# Altium PCB Enigma Rev B.PcbDoc (part 2 of 8) (continued)
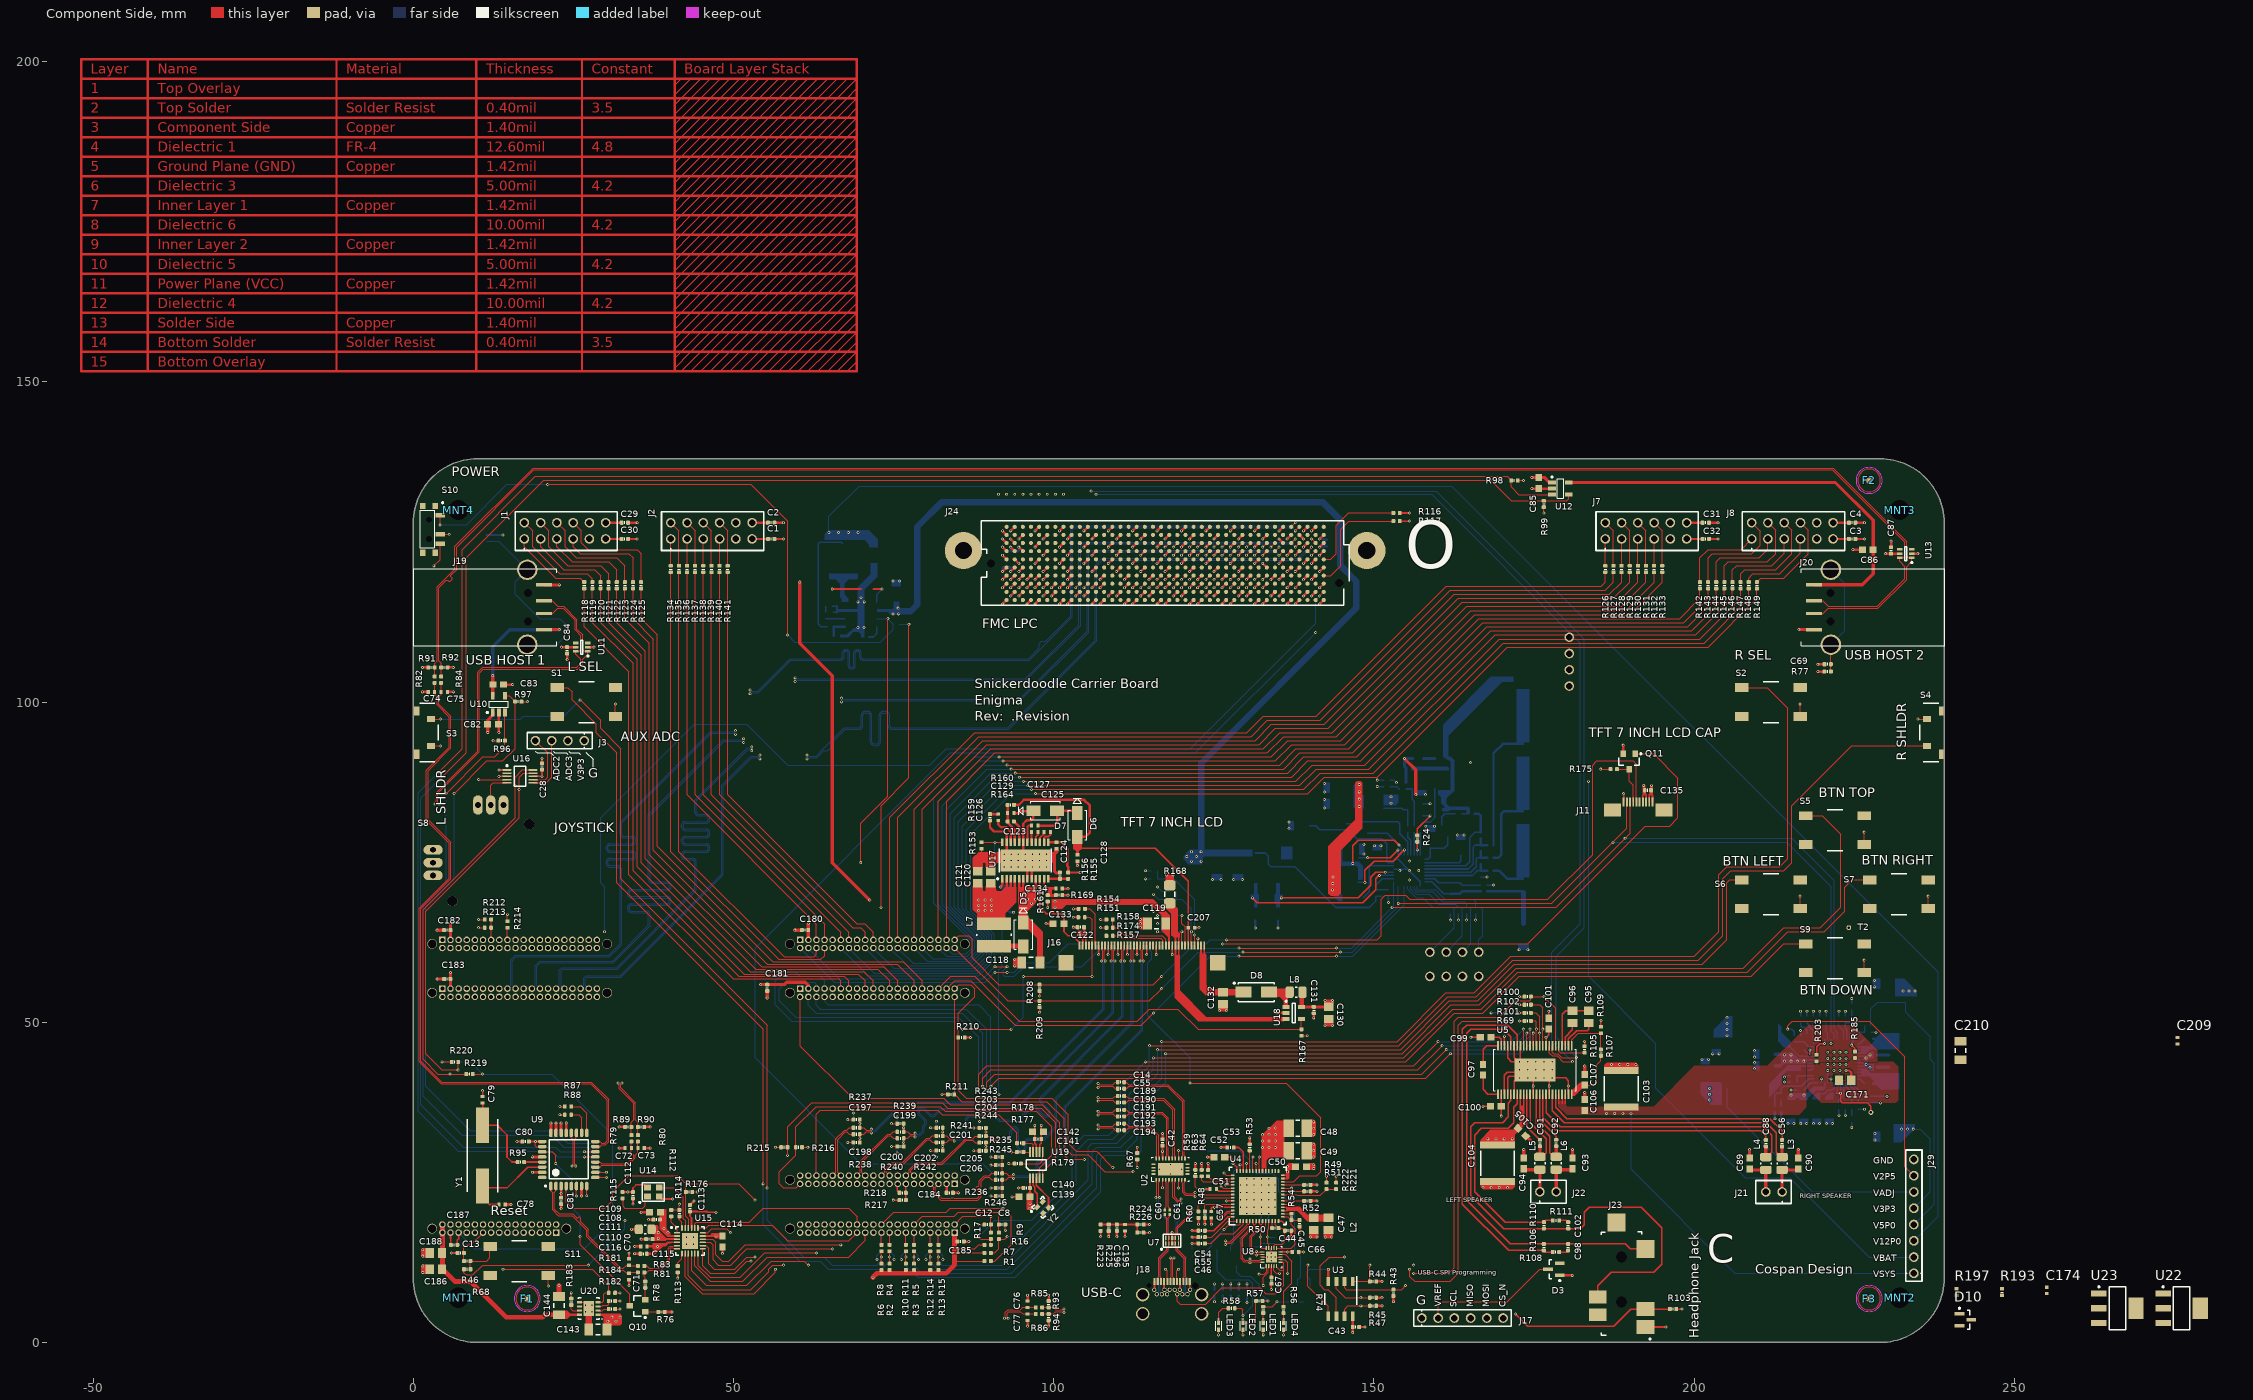
[diagram p0: Component Side view]
## Part data (continued)
C35: "1.5µF ±10% 25V Ceramic Capacitor X7R 0805 (2012 Metric)", Capacitance=1.5µF, Manufacturer="Murata Electronics North America", Manufacturer Part Number=GRM21BR71E155KA88L, Operating Temperature="-55°C ~ 125°C", Package / Case=0805, Ratings=-, Supplier Part Number 1=490-3330-1-ND, Temperature Coefficient=25V, Tolerance=±10%, Voltage - Rated=X7R, Applications="General Purpose", Category=Capacitors, ComponentLink1Description=http://www.murata.com/~/media/webrenewal/support/library/catalog/products/capacitor/mlcc/c02e.pdf, ComponentLink1URL=http://www.murata.com/~/media/webrenewal/support/library/catalog/products/capacitor/mlcc/c02e.pdf, Features=-, Height - Seated (Max)=-, Lead Spacing=-, Lead Style=-, Mounting Type="Surface Mount, MLCC", Packaging="Cut Tape (CT)", Part Status=Active, Pricing 1="1=0.29, 10=0.24, 50=0.135, 100=0.12, 250=0.09, 500=0.0795, 1000=0.0705 (USD)", RoHS="RoHS Compliant", Size / Dimension="0.079\" L x 0.049\" W (2.00mm x 1.25mm)", Stock 1=7266, Supplier 1=Digi-Key, Thickness (Max)="0.053\" (1.35mm)"
C38 C70 C71 C72 C73 C74 C75 C76 C77 C78 C79: library part C_0402_22PF_50V, "CAP CER 22PF 50V NP0 0402", Manufacturer="Murata Electronics North America", Manufacturer Part Number=GRM1555C1H220FA01D, Operating Temperature="-55°C ~ 125°C", Package / Case=0402, Ratings=-, Supplier Part Number 1=490-8589-1-ND, Temperature Coefficient=NP0, Tolerance=±1%, Voltage - Rated=50V, Applications="General Purpose", Capacitance=22pF, Category=Capacitors, ComponentLink1Description=http://search.murata.co.jp/Ceramy/image/img/A01X/G101/ENG/GRM1555C1H220FA01-01.pdf, ComponentLink1URL=http://search.murata.co.jp/Ceramy/image/img/A01X/G101/ENG/GRM1555C1H220FA01-01.pdf, Features=-, Height - Seated (Max)=-, Lead Spacing=-, Lead Style=-, Mounting Type="Surface Mount, MLCC", Packaging="Cut Tape (CT)", Part Status=Active, Pricing 1="1=0.1, 10=0.05, 100=0.0223, 500=0.01594, 1000=0.01252, 2500=0.01138, 5000=0.01047 (USD)", RoHS="RoHS Compliant", Size / Dimension="0.039\" L x 0.020\" W (1.00mm x 0.50mm)", Stock 1=606100, Supplier 1=Digi-Key, Thickness (Max)="0.022\" (0.55mm)"
C44 C45 C98 C102: library part C_0402_220PF_50V, "CAP CER 220PF 50V 10% X7R 0402", Manufacturer="Murata Electronics North America", Manufacturer Part Number=GRM155R71H221KA01D, Operating Temperature="-55°C ~ 125°C", Package / Case=0402, Ratings=-, Supplier Part Number 1=490-1298-1-ND, Temperature Coefficient=X7R, Tolerance=±10%, Voltage - Rated=50V, Applications="General Purpose", Capacitance=220pF, Category=Capacitors, ComponentLink1Description=http://search.murata.co.jp/Ceramy/image/img/PDF/ENG/GRM155R71H221KA01.pdf, ComponentLink1URL=http://search.murata.co.jp/Ceramy/image/img/PDF/ENG/GRM155R71H221KA01.pdf, Features=-, Height=-, Lead Spacing=-, Lead Style=-, Mounting Type="Surface Mount, MLCC", Packaging="Cut Tape (CT)", Pricing="10=0.034, 50=0.0272, 100=0.0204, 250=0.01476, 500=0.0109, 1000=0.00738 (USD)", RoHS="RoHS Compliant", Size / Dimension="0.039\" L x 0.020\" W (1.00mm x 0.50mm)", Stock 1=239876, Supplier 1=Digi-Key, Thickness="0.022\" (0.55mm)"
C46 C56 C88 C91 C92 C123 C124 C125 C127 C129 C207: "CAP CER 0.22UF 50V X5R 0402", Capacitance=0.22µF, Manufacturer="Taiyo Yuden", Manufacturer Part Number=UMK105BJ224KV-F, Operating Temperature="-55°C ~ 85°C", Package / Case=0402, Ratings=-, Supplier Part Number 1=587-3500-6-ND, Temperature Coefficient=X5R, Tolerance=±10%, Voltage - Rated=50V, Applications="General Purpose", Category=Capacitors, ComponentLink1Description=http://ds.yuden.co.jp/TYCOMPAS/ut/detail.do?productNo=UMK105BJ224KV-F&fileName=UMK105BJ224KV-F_SS&mode=specSheetDownload, ComponentLink1URL=http://ds.yuden.co.jp/TYCOMPAS/ut/detail.do?productNo=UMK105BJ224KV-F&fileName=UMK105BJ224KV-F_SS&mode=specSheetDownload, Features=-, Height - Seated (Max)=-, Lead Spacing=-, Lead Style=-, Mounting Type="Surface Mount, MLCC", Packaging=Digi-Reel®, Pricing 1="1=0.35, 10=0.263, 50=0.1532, 100=0.1225, 250=0.08752, 500=0.0595, 1000=0.04813, 5000=0.03763 (USD)", RoHS="RoHS Compliant", Size / Dimension="0.039\" L x 0.020\" W (1.00mm x 0.50mm)", Stock 1=141424, Supplier 1=Digi-Key, Thickness (Max)="0.022\" (0.55mm)"
C48 C49: library part C_1210_22µF, "CAP CER 22UF 25V 20% X5R 1210", Manufacturer="Taiyo Yuden", Manufacturer Part Number=TMK325BJ226MM-T, Operating Temperature="-55°C ~ 85°C", Package / Case=1210, Ratings=-, Supplier Part Number 1=587-2086-1-ND, Temperature Coefficient=X5R, Tolerance=±20%, Voltage - Rated=25V, Applications="General Purpose", Capacitance=22µF, Category=Capacitors, ComponentLink1Description=http://www.yuden.co.jp/productdata/catalog/en/mlcc01_e.pdf, ComponentLink1URL=http://www.yuden.co.jp/productdata/catalog/en/mlcc01_e.pdf, Features=-, Height - Seated (Max)=-, Lead Spacing=-, Lead Style=-, Mounting Type="Surface Mount, MLCC", Packaging="Cut Tape (CT)", Pricing="1=0.86, 10=0.731, 50=0.5382, 100=0.4278, 250=0.3588 (USD)", RoHS="RoHS Compliant", Size / Dimension="0.126\" L x 0.098\" W (3.20mm x 2.50mm)", Stock 1=53533, Supplier 1=Digi-Key, Thickness (Max)="0.106\" (2.70mm)"
C50 C109 C114 C139 C142: library part C_0603_4.7uF_10V, "CAP CER 4.7UF 10V X5R 0603", Manufacturer="Murata Electronics North America", Manufacturer Part Number=GRM188R61A475KE15D, Operating Temperature="-55°C ~ 85°C", Package / Case=0603, Ratings=-, Supplier Part Number 1=490-10477-1-ND, Temperature Coefficient=X5R, Tolerance=±10%, Voltage - Rated=10V, Applications="General Purpose", Capacitance=4.7µF, Category=Capacitors, ComponentLink1Description=http://search.murata.co.jp/Ceramy/image/img/A01X/G101/ENG/GRM188R61A475KE15-01.pdf, ComponentLink1URL=http://search.murata.co.jp/Ceramy/image/img/A01X/G101/ENG/GRM188R61A475KE15-01.pdf, Features="Derating Recommended", Height - Seated (Max)=-, Lead Spacing=-, Lead Style=-, Mounting Type="Surface Mount, MLCC", Packaging="Cut Tape (CT)", Part Status=Active, Pricing 1="1=0.15, 10=0.105, 100=0.0495, 500=0.03472, 1000=0.02875 (USD)", RoHS="RoHS Compliant", Size / Dimension="0.063\" L x 0.032\" W (1.60mm x 0.80mm)", Stock 1=163304, Supplier 1=Digi-Key, Thickness (Max)="0.039\" (1.00mm)"
C51 C57 C66 C128 C136 C137 C138 C174 C195 C209: library part C_0402_1.0UF_16V, "CAP CER 1.0UF 16V X5R 0402", Capacitance=1.0µF, Manufacturer="Taiyo Yuden", Manufacturer Part Number=EMK105BJ105KV-F, Operating Temperature="-55°C ~ 85°C", Package / Case=0402, Ratings=-, Supplier Part Number 1=587-2477-1-ND, Temperature Coefficient=X5R, Tolerance=±10%, Voltage - Rated=16V, Applications="General Purpose", Category=Capacitors, ComponentLink1Description=http://ds.yuden.co.jp/TYCOMPAS/ut/detail.do?productNo=EMK105BJ105KV-F&fileName=EMK105BJ105KV-F_SS&mode=specSheetDownload, ComponentLink1URL=http://ds.yuden.co.jp/TYCOMPAS/ut/detail.do?productNo=EMK105BJ105KV-F&fileName=EMK105BJ105KV-F_SS&mode=specSheetDownload, Features=-, Height - Seated (Max)=-, Lead Spacing=-, Lead Style=-, Mounting Type="Surface Mount, MLCC", Packaging="Cut Tape (CT)", Part Status=Active, Pricing 1="1=0.1, 10=0.063, 100=0.028, 500=0.01998, 1000=0.0157, 2500=0.01427, 5000=0.01313 (USD)", RoHS="RoHS Compliant", Size / Dimension="0.039\" L x 0.020\" W (1.00mm x 0.50mm)", Stock 1=489909, Supplier 1=Digi-Key, Thickness (Max)="0.022\" (0.55mm)"
C52: "CAP CER 10UF 16V X5R 0603", Capacitance=10µF, Manufacturer="Murata Electronics North America", Manufacturer Part Number=GRM188R61C106MA73D, Operating Temperature="-55°C ~ 85°C", Package / Case=0603, Ratings=-, Supplier Part Number 1=490-7201-1-ND, Temperature Coefficient=X5R, Tolerance=±20%, Voltage - Rated=25V, Applications="General Purpose", Category=Capacitors, ComponentLink1Description=http://www.murata.com/~/media/webrenewal/support/library/catalog/products/capacitor/mlcc/c02e.pdf, ComponentLink1URL=http://www.murata.com/~/media/webrenewal/support/library/catalog/products/capacitor/mlcc/c02e.pdf, Features=-, Height - Seated (Max)=-, Lead Spacing=-, Lead Style=-, Mounting Type="Surface Mount, MLCC", Packaging="Cut Tape (CT)", Pricing 1="1=0.35, 10=0.303, 50=0.184, 100=0.1516, 250=0.12124, 500=0.11042, 1000=0.09959 (USD)", RoHS="RoHS Compliant", Size / Dimension="0.063\" L x 0.031\" W (1.60mm x 0.80mm)", Stock 1=450536, Supplier 1=Digi-Key, Thickness (Max)="0.031\" (0.80mm)"
C53 C54: library part C_0402_2.2UF, "CAP CER 2.2UF 6.3V X5R 0402", Capacitance=2.2µF, Manufacturer="TDK Corporation", Manufacturer Part Number=C1005X5R0J225M, Operating Temperature="-55°C ~ 85°C", Package / Case=0402, Ratings=-, Supplier Part Number 1=445-4999-1-ND, Temperature Coefficient=X5R, Tolerance=±20%, Voltage - Rated=6.3V, Applications="General Purpose", Category=Capacitors, ComponentLink1Description=http://www.tdk.co.jp/tefe02/e412_c.pdf, ComponentLink1URL=http://www.tdk.co.jp/tefe02/e412_c.pdf, Features=-, Height=-, Lead Spacing=-, Lead Style=-, Mounting Type="Surface Mount, MLCC", Packaging="Cut Tape (CT)", Pricing="1=0.44, 10=0.33, 100=0.154, 250=0.11, 500=0.0748, 1000=0.0605 (USD)", RoHS="RoHS Compliant", Size / Dimension="0.039\" L x 0.020\" W (1.00mm x 0.50mm)", Stock 1=511888, Supplier 1=Digi-Key, Thickness="0.022\" (0.55mm)"
C58 C59 C60 C61: library part C_0201_0.1UF, "CAP CER 0.1UF 6.3V 10% X5R 0201", Capacitance=0.1µF, Manufacturer="Murata Electronics North America", Manufacturer Part Number=GRM033R60J104KE19D, Operating Temperature="-55°C ~ 85°C", Package / Case=0201, Ratings=-, Supplier Part Number 1=490-3167-1-ND, Temperature Coefficient=X5R, Tolerance=±10%, Voltage - Rated=6.3V, Applications="General Purpose", Category=Capacitors, ComponentLink1Description=http://search.murata.co.jp/Ceramy/image/img/A01X/G101/ENG/GRM033R60J104KE19-01.pdf, ComponentLink1URL=http://search.murata.co.jp/Ceramy/image/img/A01X/G101/ENG/GRM033R60J104KE19-01.pdf, Features=-, Height - Seated (Max)=-, Lead Spacing=-, Lead Style=-, Mounting Type="Surface Mount, MLCC", Packaging="Cut Tape (CT)", Part Status=Active, Pricing 1="1=0.1, 10=0.033, 100=0.0149, 500=0.01062, 1000=0.00835, 2500=0.00759, 5000=0.00698 (USD)", RoHS="RoHS Compliant", Size / Dimension="0.024\" L x 0.012\" W (0.60mm x 0.30mm)", Stock 1=13375857, Supplier 1=Digi-Key, Thickness (Max)="0.013\" (0.33mm)"
C62 C63 C64 C65 C68 C69: library part C_0402_10000PF_50V, "CAP CERAMIC .01UF 50V X7R 0402", Capacitance=.01µF, Manufacturer="Murata Electronics North America", Manufacturer Part Number=GRM155R71H103KA88D, Operating Temperature="-55°C ~ 125°C", Package / Case=0402, Ratings=-, Supplier Part Number 1=490-4516-1-ND, Temperature Coefficient=X7R, Tolerance=±10%, Voltage - Rated=50V, Applications="General Purpose", Category=Capacitors, ComponentLink1Description=http://www.murata.com/~/media/webrenewal/support/library/catalog/products/capacitor/mlcc/c02e.ashx, ComponentLink1URL=http://www.murata.com/~/media/webrenewal/support/library/catalog/products/capacitor/mlcc/c02e.ashx, Features=-, Height - Seated (Max)=-, Lead Spacing=-, Lead Style=-, Mounting Type="Surface Mount, MLCC", Packaging="Cut Tape (CT)", Part Status=Active, Pricing 1="1=0.1, 50=0.0052, 100=0.0044, 250=0.00364, 500=0.00312, 1000=0.00242, 5000=0.00202 (USD)", RoHS="RoHS Compliant", Size / Dimension="0.039\" L x 0.020\" W (1.00mm x 0.50mm)", Stock 1=7255009, Supplier 1=Digi-Key, Thickness (Max)="0.022\" (0.55mm)"
C80: library part C_0402_1000PF_50V, "CAP CER 1000PF 50V C0G 0402", Manufacturer="Murata Electronics North America", Manufacturer Part Number=GRM1555C1H102JA01D, Operating Temperature="-55°C ~ 125°C", Package / Case=0402, Ratings=-, Supplier Part Number 1=490-3244-1-ND, Temperature Coefficient=C0G, Tolerance=±5%, Voltage - Rated=50V, Applications="General Purpose", Capacitance=1000pF, Category=Capacitors, ComponentLink1Description=http://search.murata.co.jp/Ceramy/image/img/PDF/ENG/GRM1555C1H102JA01.pdf, ComponentLink1URL=http://search.murata.co.jp/Ceramy/image/img/PDF/ENG/GRM1555C1H102JA01.pdf, Features=-, Lead Spacing=-, Lead Style=-, Mounting Type="Surface Mount, MLCC", Packaging="Cut Tape (CT)", Pricing 1="10=0.073, 100=0.0429, 500=0.02476, 1000=0.01716 (USD)", RoHS="RoHS Compliant", Size / Dimension="0.040\" L x 0.020\" W (1.00mm x 0.50mm)", Stock 1=1327660, Supplier 1=Digi-Key, Thickness=0.50mm
C82 C83 C85 C86 C97 C99 C100 C101 C107: library part C_0603_1.0uF_16V, "CAP CER 1UF 16V 10% X7R 0603", Capacitance=1.0µF, Manufacturer=Yageo, Manufacturer Part Number=CC0603KRX7R7BB105, Operating Temperature="-55°C ~ 125°C", Package / Case=0603, Ratings=-, Supplier Part Number 1=311-1446-1-ND, Temperature Coefficient=X7R, Tolerance=±10%, Voltage - Rated=16V, Applications="General Purpose", Category=Capacitors, ComponentLink1Description=http://www.yageo.com/documents/recent/UPY-GPHC_X7R_6.3V-to-50V_18.pdf, ComponentLink1URL=http://www.yageo.com/documents/recent/UPY-GPHC_X7R_6.3V-to-50V_18.pdf, Failure Rate=-, Features=-, Height - Seated (Max)=-, Lead Spacing=-, Lead Style=-, Mounting Type="Surface Mount, MLCC", Packaging="Cut Tape (CT)", Part Status=Active, Pricing 1="1=0.1, 10=0.053, 100=0.0237, 500=0.01694, 1000=0.01331 (USD)", RoHS="RoHS Compliant", Size / Dimension="0.063\" L x 0.032\" W (1.60mm x 0.80mm)", Stock 1=221087, Supplier 1=Digi-Key, Thickness (Max)="0.035\" (0.90mm)"
C89 C90 C93 C94: "CAP CER 0.68UF 25V X5R 0603", Capacitance=0.68uF, Manufacturer="Wurth Electronics Inc.", Manufacturer Part Number=885012106021, Operating Temperature="-55°C ~ 85°C", Package / Case=0603, Ratings=-, Supplier Part Number 1=732-7918-1-ND, Temperature Coefficient=X5R, Tolerance=±20%, Voltage - Rated=25V, Applications="General Purpose", Category=Capacitors, ComponentLink1Description=http://katalog.we-online.de/pbs/datasheet/885012106021.pdf, ComponentLink1URL=http://katalog.we-online.de/pbs/datasheet/885012106021.pdf, Features=-, Height - Seated (Max)=-, Lead Spacing=-, Lead Style=-, Mounting Type="Surface Mount, MLCC", Packaging="Cut Tape (CT)", Part Status=Active, Pricing 1="1=0.16, 50=0.131, 100=0.103, 250=0.091, 500=0.083, 1000=0.077 (USD)", RoHS="RoHS Compliant", Size / Dimension="0.063\" L x 0.031\" W (1.60mm x 0.80mm)", Stock 1=3388, Supplier 1=Digi-Key, Thickness (Max)="0.037\" (0.95mm)"
C103 C104: library part C_2220_10UF_50V, "CAP CER 10UF 50V X7R 20% 2220", Manufacturer="TDK Corporation", Manufacturer Part Number=C5750X7R1H106K230KB, Operating Temperature="-55°C ~ 125°C", Package / Case=2220, Ratings=-, Supplier Part Number 1=445-3492-1-ND, Temperature Coefficient=X7R, Tolerance=±10%, Voltage - Rated=50V, Applications="General Purpose", Capacitance=10µF, Category=Capacitors, ComponentLink1Description=https://product.tdk.com/info/en/catalog/datasheets/mlcc_commercial_general_en.pdf, ComponentLink1URL=https://product.tdk.com/info/en/catalog/datasheets/mlcc_commercial_general_en.pdf, Failure Rate=-, Features=-, Height - Seated (Max)=-, Lead Spacing=-, Lead Style=-, Mounting Type="Surface Mount, MLCC", Packaging="Cut Tape (CT)", Part Status=Active, Pricing 1="1=1.96, 10=1.583, 100=1.2087 (USD)", RoHS="RoHS Compliant", Size / Dimension="0.224\" L x 0.197\" W (5.70mm x 5.00mm)", Stock 1=35258, Supplier 1=Digi-Key, Thickness (Max)="0.098\" (2.50mm)"
C111: library part C_0805_10UF_10V, "CAP CER 10UF 10V 10% X5R 0805", Capacitance=10µF, Manufacturer="Murata Electronics North America", Manufacturer Part Number=GRM21BR61A106KE19L, Operating Temperature="-55°C ~ 85°C", Package / Case="0805 (2012 Metric)", Ratings=-, Supplier Part Number 1=490-1709-1-ND, TEMPERATURE=-55/85C, Temperature Coefficient=X5R, Tolerance=X5R-10%, Voltage - Rated=10V, Applications="General Purpose", Category=Capacitors, ComponentLink1Description=http://www.murata.com/products/catalog/pdf/c02e.pdf, ComponentLink1URL=http://www.murata.com/products/catalog/pdf/c02e.pdf, Features=-, Height - Seated (Max)=-, Lead Spacing=-, Lead Style=-, Mounting Type="Surface Mount, MLCC", Packaging="Cut Tape (CT)", Pricing="1=0.21, 10=0.144, 50=0.0876, 100=0.0735, 250=0.05952, 500=0.0525, 1000=0.04463 (USD)", RoHS="RoHS Compliant", Size / Dimension="0.079\" L x 0.049\" W (2.00mm x 1.25mm)", Stock 1=541107, Supplier 1=Digi-Key, Thickness (Max)="0.053\" (1.35mm)", VOLTS=10V
C117: library part C_0402_6.8PF_50V, "CAP CER 6.8PF 50V NP0 0402", Manufacturer=Yageo, Manufacturer Part Number=CC0402DRNPO9BN6R8, Operating Temperature="-55°C ~ 125°C", Package / Case=0402, Ratings=-, Supplier Part Number 1=311-1637-1-ND, Temperature Coefficient="C0G, NP0", Tolerance=±0.5pF, Voltage - Rated=50V, Applications="General Purpose", Capacitance=6.8pF, Category=Capacitors, ComponentLink1Description=http://www.yageo.com/documents/recent/UPY-GP_NP0_16V-to-50V_16.pdf, ComponentLink1URL=http://www.yageo.com/documents/recent/UPY-GP_NP0_16V-to-50V_16.pdf, Failure Rate=-, Features=-, Height - Seated (Max)=-, Lead Spacing=-, Lead Style=-, Mounting Type="Surface Mount, MLCC", Packaging="Cut Tape (CT)", Part Status=Active, Pricing 1="1=0.1, 10=0.022, 100=0.0097, 500=0.00692, 1000=0.00544, 2500=0.00494, 5000=0.00455 (USD)", RoHS="RoHS Compliant", Size / Dimension="0.039\" L x 0.020\" W (1.00mm x 0.50mm)", Stock 1=80953, Supplier 1=Digi-Key, Thickness (Max)="0.022\" (0.55mm)"
C120 C121 C147 C153 C159 C165: library part C_0805_10UF_16V, "CAP CER 10uF 16V X5R 20% 0805", Manufacturer="Taiyo Yuden", Manufacturer Part Number=EMK212BJ106KG-T, Operating Temperature="-55°C ~ 85°C", Package / Case=0805, Ratings=-, Supplier Part Number 1=587-1295-1-ND, Temperature Coefficient=X5R, Tolerance=±10%, Voltage - Rated=16V, Applications="General Purpose", Capacitance=10µF, Category=Capacitors, ComponentLink1Description=http://www.yuden.co.jp/productdata/catalog/en/mlcc01_e.pdf, ComponentLink1URL=http://www.yuden.co.jp/productdata/catalog/en/mlcc01_e.pdf, Features=-, Height - Seated (Max)=-, Lead Spacing=-, Lead Style=-, Mounting Type="Surface Mount, MLCC", Packaging="Cut Tape (CT)", Part Status=Active, Pricing 1="1=0.2, 10=0.139, 100=0.0656, 500=0.04596, 1000=0.03805 (USD)", RoHS="RoHS Compliant", Size / Dimension="0.079\" L x 0.049\" W (2.00mm x 1.25mm)", Stock 1=2052124, Supplier 1=Digi-Key, Thickness (Max)="0.053\" (1.35mm)"
C126 C134: library part C_0402_1000PF_50V, "CAP CER 1000PF 50V C0G 0402", Manufacturer="Murata Electronics North America", Manufacturer Part Number=GRM1555C1H102JA01D, Operating Temperature="-55°C ~ 125°C", Package / Case=0402, Ratings=-, Supplier Part Number 1=490-3244-1-ND, Temperature Coefficient="C0G, NP0", Tolerance=±5%, Voltage - Rated=50V, Applications="General Purpose", Capacitance=1000pF, Category=Capacitors, ComponentLink1Description=http://search.murata.co.jp/Ceramy/image/img/PDF/ENG/GRM1555C1H102JA01.pdf, ComponentLink1URL=http://search.murata.co.jp/Ceramy/image/img/PDF/ENG/GRM1555C1H102JA01.pdf, Features=-, Lead Spacing=-, Lead Style=-, Mounting Type="Surface Mount, MLCC", Packaging="Cut Tape (CT)", Pricing 1="10=0.073, 100=0.0429, 500=0.02476, 1000=0.01716 (USD)", RoHS="RoHS Compliant", Size / Dimension="0.040\" L x 0.020\" W (1.00mm x 0.50mm)", Stock 1=1327660, Supplier 1=Digi-Key, Thickness=0.50mm
C130: library part C_0805_10UF_6.3V, "CAP CER 10UF 6.3V X7R 10% 0805", Capacitance=10µF, Manufacturer="Taiyo Yuden", Manufacturer Part Number=JMK212BJ106KD-T, Operating Temperature="-55°C ~ 85°C", Package / Case=0805, Ratings=-, Supplier Part Number 1=587-1304-1-ND, Temperature Coefficient=X7R, Tolerance=±10%, Voltage - Rated=6.3V, Applications="General Purpose", Category=Capacitors, ComponentLink1Description=http://www.yuden.co.jp/productdata/catalog/en/mlcc01_e.pdf, ComponentLink1URL=http://www.yuden.co.jp/productdata/catalog/en/mlcc01_e.pdf, Features=-, Height - Seated (Max)=-, Lead Spacing=-, Lead Style=-, Mounting Type="Surface Mount, MLCC", Packaging="Cut Tape (CT)", Pricing 1="1=0.19, 10=0.132, 50=0.08, 100=0.0672, 250=0.0544, 500=0.048, 1000=0.0408 (USD)", RoHS="RoHS Compliant", Size / Dimension="0.079\" L x 0.049\" W (2.00mm x 1.25mm)", Stock 1=94004, Supplier 1=Digi-Key, Thickness (Max)="0.037\" (0.95mm)"
C133: "CAP CER 1UF 16V X7R 0603", Capacitance=1µF, Case/Package=0603, Case Code (Metric)=1608, Dielectric=X7R, Manufacturer=Yageo, Manufacturer Part Number=CC0603KRX7R7BB105, Max Operating Temperature=125°C, Min Operating Temperature=-55°C, Package Quantity=1, Supplier Part Number 1=311-1446-6-ND, Tolerance=10%, Voltage - Rated=16V, Case Code (Imperial)=0603, ComponentLink1Description=https://datasheet.ciiva.com/176/mlccorderingcode-176788.pdf, ComponentLink1URL=https://datasheet.ciiva.com/176/mlccorderingcode-176788.pdf, ComponentLink2Description=https://datasheet.ciiva.com/176/mlccorderingcode-176789.pdf, ComponentLink2URL=https://datasheet.ciiva.com/176/mlccorderingcode-176789.pdf, ComponentLink3Description=https://datasheet.ciiva.com/176/mlccorderingcode-176790.pdf, ComponentLink3URL=https://datasheet.ciiva.com/176/mlccorderingcode-176790.pdf, ComponentLink4Description=https://datasheet.ciiva.com/5425/upy-gphc-x7r-6-3v-to-50v-8-12304-5425495.pdf, ComponentLink4URL=https://datasheet.ciiva.com/5425/upy-gphc-x7r-6-3v-to-50v-8-12304-5425495.pdf, ComponentLink5Description=https://datasheet.ciiva.com/16625/upy-gphc-x7r-6-3v-to-50v-8-16625527.pdf, ComponentLink5URL=https://datasheet.ciiva.com/16625/upy-gphc-x7r-6-3v-to-50v-8-16625527.pdf, ComponentLink6Description=https://datasheet.ciiva.com/8033/1734573-8033800.pdf, ComponentLink6URL=https://datasheet.ciiva.com/8033/1734573-8033800.pdf, ComponentLink7Description=https://datasheet.ciiva.com/8033/1734573-8033801.pdf, ComponentLink7URL=https://datasheet.ciiva.com/8033/1734573-8033801.pdf, ComponentLink8Description=https://datasheet.ciiva.com/28450/1489800-28450557.pdf, ComponentLink8URL=https://datasheet.ciiva.com/28450/1489800-28450557.pdf, ComponentLink9Description=https://datasheet.ciiva.com/7978/1489800-7978143.pdf, ComponentLink9URL=https://datasheet.ciiva.com/7978/1489800-7978143.pdf, Composition=Ceramic, Depth=0.8mm, Dissipation Factor=5%, Halogen Free="Halogen Free", Height=0.8mm, Lead Free="Lead Free", Length=1.6mm, Mount="Surface Mount", Number of Pins=2, Package / Case=0603, Packaging="Tape and Reel", Pricing 1="1=0.1, 10=0.053, 100=0.0237, 500=0.0169, 1000=0.0133 (USD)", Radiation Hardening=No, REACH SVHC=Unknown, Stock 1=531531, Supplier 1=Digikey, Temperature Coefficient=X7R, Termination=SMD/SMT, Thickness=0.035inch, Voltage Rating=16V, Voltage Rating (DC)=16V, Width=0.031inch
C146 C152 C158 C164 C169 C170 C186 C188: "CAP CER 22UF 35V X5R 0805", Capacitance=22µF, Manufacturer="TDK Corporation", Manufacturer Part Number=C2012X5R1V226M125AC, Operating Temperature="-55°C ~ 85°C", Package / Case=0805, Ratings=-, Supplier Part Number 1=445-14428-1-ND, Temperature Coefficient=X5R, Tolerance=±20%, Voltage - Rated=35V, Applications="General Purpose", Category=Capacitors, ComponentLink1Description=https://product.tdk.com/info/en/catalog/datasheets/mlcc_commercial_general_en.pdf, ComponentLink1URL=https://product.tdk.com/info/en/catalog/datasheets/mlcc_commercial_general_en.pdf, Failure Rate=-, Features="Low ESL", Height - Seated (Max)=-, Lead Spacing=-, Lead Style=-, Mounting Type="Surface Mount, MLCC", Packaging="Cut Tape (CT)", Part Status=Active, Pricing 1="1=1.14, 10=0.863, 100=0.6176, 500=0.47818, 1000=0.41176 (USD)", RoHS="RoHS Compliant", Size / Dimension="0.079\" L x 0.049\" W (2.00mm x 1.25mm)", Stock 1=3681, Supplier 1=Digi-Key, Thickness (Max)="0.057\" (1.45mm)"
C148 C154 C160 C166: Capacitance=3300pF, Manufacturer="Murata Electronics North America", Manufacturer Part Number=GRM155R71H332KA01D, Operating Temperature="-55°C ~ 125°C", Package / Case=0402, Ratings=-, Supplier Part Number 1=490-3248-1-ND, Temperature Coefficient=X7R, Tolerance=±10%, Voltage - Rated=50V, Applications="General Purpose", Category=Capacitors, ComponentLink1Description=http://www.murata.com/~/media/webrenewal/support/library/catalog/products/capacitor/mlcc/c02e.ashx?la=en-us, ComponentLink1URL=http://www.murata.com/~/media/webrenewal/support/library/catalog/products/capacitor/mlcc/c02e.ashx?la=en-us, Features=-, Height - Seated (Max)=-, Lead Spacing=-, Lead Style=-, Mounting Type="Surface Mount, MLCC", Packaging="Cut Tape (CT)", Part Status=Active, Pricing 1="1=0.1, 10=0.013, 100=0.0059, 500=0.0042, 1000=0.0033, 2500=0.003, 5000=0.00276 (USD)", RoHS="RoHS Compliant", Size / Dimension="0.039\" L x 0.020\" W (1.00mm x 0.50mm)", Stock 1=717319, Supplier 1=Digi-Key, Thickness (Max)="0.022\" (0.55mm)"
C149 C155: "CAP CER 36PF 50V NP0 0402", Capacitance=36pF, Manufacturer="Samsung Electro-Mechanics America, Inc.", Manufacturer Part Number=CL05C360JB5NNNC, Operating Temperature="-55°C ~ 125°C", Package / Case=0402, Ratings=-, Supplier Part Number 1=1276-1686-1-ND, Temperature Coefficient=C0G, Tolerance=±5%, Voltage - Rated=50V, Applications="General Purpose", Category=Capacitors, ComponentLink1Description=http://www.samsungsem.com/kr/support/product-search/mlcc/CL05C360JB5NNNC.jsp, ComponentLink1URL=http://www.samsungsem.com/kr/support/product-search/mlcc/CL05C360JB5NNNC.jsp, Features=-, Height - Seated (Max)=-, Lead Spacing=-, Lead Style=-, Mounting Type="Surface Mount, MLCC", Packaging="Cut Tape (CT)", Pricing 1="1=0.1, 10=0.03, 25=0.0208, 50=0.016, 100=0.0135, 500=0.00948, 1000=0.00738, 5000=0.00615 (USD)", RoHS="RoHS Compliant", Size / Dimension="0.039\" L x 0.020\" W (1.00mm x 0.50mm)", Stock 1=24626, Supplier 1=Digi-Key, Thickness (Max)="0.022\" (0.55mm)"
C150 C156 C162 C168: "CAP CER 0.068UF 25V X7R 0402", Capacitance=0.068µF, Manufacturer="Murata Electronics North America", Manufacturer Part Number=GRM155R71E683KE14D, Operating Temperature="-55°C ~ 125°C", Package / Case=0402, Ratings=-, Supplier Part Number 1=490-14604-1-ND, Temperature Coefficient=X7R, Tolerance=±10%, Voltage - Rated=25V, Applications="General Purpose", Category=Capacitors, ComponentLink1Description=http://search.murata.co.jp/Ceramy/image/img/A01X/G101/ENG/GRM155R71E683KE14-01.pdf, ComponentLink1URL=http://search.murata.co.jp/Ceramy/image/img/A01X/G101/ENG/GRM155R71E683KE14-01.pdf, Failure Rate=-, Features=-, Height - Seated (Max)=-, Lead Spacing=-, Lead Style=-, Mounting Type="Surface Mount, MLCC", Packaging="Cut Tape (CT)", Part Status=Active, Pricing 1="1=0.1, 10=0.031, 100=0.0136, 500=0.00974, 1000=0.00765, 2500=0.00696, 5000=0.0064 (USD)", RoHS="RoHS Compliant", Size / Dimension="0.039\" L x 0.020\" W (1.00mm x 0.50mm)", Stock 1=7620, Supplier 1=Digi-Key, Thickness (Max)="0.022\" (0.55mm)"
C161: library part C_0402_12PF_50V, "CAP CER 12PF 50V 5% C0G 0402", Manufacturer="Murata Electronics North America", Manufacturer Part Number=GRM1555C1H120FA01D, Operating Temperature="-55°C ~ 125°C", Package / Case=0402, Ratings=-, Supplier Part Number 1=490-6196-1-ND, Temperature Coefficient="C0G, NP0", Tolerance=±1%, Voltage - Rated=50V, Applications="General Purpose", Capacitance=12pF, Category=Capacitors, ComponentLink1Description=http://search.murata.co.jp/Ceramy/image/img/A01X/G101/ENG/GRM1555C1H120FA01-01.pdf, ComponentLink1URL=http://search.murata.co.jp/Ceramy/image/img/A01X/G101/ENG/GRM1555C1H120FA01-01.pdf, Features=-, Height - Seated (Max)=-, Lead Spacing=-, Lead Style=-, Mounting Type="Surface Mount, MLCC", Packaging="Cut Tape (CT)", Part Status=Active, Pricing 1="1=0.1, 10=0.05, 100=0.0223, 500=0.01594, 1000=0.01252, 2500=0.01138, 5000=0.01047 (USD)", RoHS="RoHS Compliant", Size / Dimension="0.039\" L x 0.020\" W (1.00mm x 0.50mm)", Stock 1=386052, Supplier 1=Digi-Key, Thickness (Max)="0.022\" (0.55mm)"
C167: library part C_0402_47p_50V, "CAP CER 47PF 50V 5% C0G 0402", Manufacturer="Murata Electronics North America", Manufacturer Part Number=GRM1555C1H470JA01D, Operating Temperature="-55°C ~ 125°C", Package / Case=0402, Ratings=-, Supplier Part Number 1=490-5942-1-ND, Temperature Coefficient=C0G, Tolerance=±5%, Voltage - Rated=50V, Applications="General Purpose", Capacitance=47pF, Category=Capacitors, ComponentLink1Description=http://www.murata.com/~/media/webrenewal/support/library/catalog/products/capacitor/mlcc/c02e.ashx, ComponentLink1URL=http://www.murata.com/~/media/webrenewal/support/library/catalog/products/capacitor/mlcc/c02e.ashx, Features=-, Height - Seated (Max)=-, Lead Spacing=-, Lead Style=-, Mounting Type="Surface Mount, MLCC", Packaging="Cut Tape (CT)", Pricing 1="1=0.1, 10=0.013, 50=0.007, 100=0.0059, 250=0.00488, 500=0.00416, 1000=0.00324, 5000=0.0027 (USD)", RoHS="RoHS Compliant", Size / Dimension="0.039\" L x 0.020\" W (1.00mm x 0.50mm)", Stock 1=682755, Supplier 1=Digi-Key, Thickness (Max)="0.022\" (0.55mm)"
C171 C172 C173: library part C_0805_4.7µF_25V, "CAP CER 4.7UF 25V 10% X5R 0805", Manufacturer="Taiyo Yuden", Manufacturer Part Number=TMK212BJ475KG-T, Operating Temperature="-55°C ~ 85°C", Package / Case=0805, Ratings=-, Supplier Part Number 1=587-1782-1-ND, Temperature Coefficient=X5R, Tolerance=±10%, Voltage - Rated=25V, Applications="General Purpose", Capacitance=4.7µF, Category=Capacitors, ComponentLink1Description=http://www.yuden.co.jp/productdata/catalog/en/mlcc01_e.pdf, ComponentLink1URL=http://www.yuden.co.jp/productdata/catalog/en/mlcc01_e.pdf, Features=-, Height - Seated (Max)=-, Lead Spacing=-, Lead Style=-, Mounting Type="Surface Mount, MLCC", Packaging="Cut Tape (CT)", Pricing 1="1=0.24, 10=0.2, 50=0.1126, 100=0.1, 250=0.075, 500=0.06626, 1000=0.05875 (USD)", RoHS="RoHS Compliant", Size / Dimension="0.079\" L x 0.049\" W (2.00mm x 1.25mm)", Stock 1=38955, Supplier 1=Digi-Key, Thickness (Max)="0.053\" (1.35mm)"
D1 D2 D10: library part D_SCHOTT_BAT54, "DIODE SCHOTTKY 30V 200MA SOT-23", Capacitance @ Vr, F="10pF @ 1V, 1MHz", Current - Average Rectified (Io)=200mA, Current - Reverse Leakage @ Vr="2µA @ 25V", Manufacturer="Fairchild Semiconductor", Package / Case=SOT-23-3, Supplier Device Package="SOT-23-3 (TO-236)", Supplier Part Number 1=BAT54FSCT-ND, Voltage - DC Reverse (Vr) (Max)=30V, Voltage - Forward (Vf) (Max) @ If="800mV @ 100mA", Category="Discrete Semiconductor Products", ComponentLink1Description=http://www.fairchildsemi.com/ds/BA/BAT54.pdf, ComponentLink1URL=http://www.fairchildsemi.com/ds/BA/BAT54.pdf, Diode Type=Schottky, Manufacturer Part Number=BAT54, Mounting Type="Surface Mount", Packaging="Cut Tape (CT)", Pricing="1=0.17, 10=0.154, 25=0.1404, 100=0.101, 250=0.05952, 500=0.04938, 1000=0.03368 (USD)", Reverse Recovery Time (trr)=5ns, RoHS="RoHS Compliant", Speed="Small Signal =< 200mA (Io), Any Speed", Stock 1=200821, Supplier 1=Digi-Key
D3: library part D_SCHOTTKY_40V_SOT23, "DIODE SCHOTTKY 40V 500MA SOT23-3", Capacitance @ Vr, F="125pF @ 0V, 1MHz", Current - Average Rectified (Io)=500mA, Current - Reverse Leakage @ Vr="50µA @ 30V", Manufacturer="Diodes Incorporated", Manufacturer Part Number=BAT400D-7-F, Operating Temperature - Junction="-40°C ~ 125°C", Package / Case="TO-236-3, SC-59, SOT-23-3", Supplier Device Package=SOT-23-3, Supplier Part Number 1=BAT400D-FDICT-ND, Voltage - Forward (Vf) (Max) @ If="550mV @ 500mA", Voltage - Zener (Nom) (Vz)=40V, Category="Discrete Semiconductor Products", ComponentLink1Description=https://www.diodes.com/assets/Datasheets/ds30182.pdf, ComponentLink1URL=https://www.diodes.com/assets/Datasheets/ds30182.pdf, Diode Type=Schottky, Mounting Type="Surface Mount", Packaging="Cut Tape (CT)", Part Status=Active, Pricing 1="1=0.44, 10=0.374, 100=0.2792, 500=0.21934, 1000=0.1695 (USD)", RoHS="RoHS Compliant", Speed="Fast Recovery =< 500ns, > 200mA (Io)", Stock 1=73267, Supplier 1=Digi-Key
D4: "Diode Schottky 30V 2A (DC) Surface Mount 2-DSN (1.6x.80)", Average Rectified Current=2A, Capacitance @ Vr, F=-, Case/Package=0603, Current - Average Rectified (Io)="2A (DC)", Current - Reverse Leakage @ Vr="150µA @ 30V", Manufacturer="ON Semiconductor", Manufacturer Part Number=NSR20F20NXT5G, Operating Temperature - Junction="150°C (Max)", Package / Case=2-XDFN, Supplier Device Package="2-DSN (1.6x.80)", Supplier Part Number 1=NSR20F30NXT5GOSCT-ND, Voltage - Forward (Vf) (Max) @ If="480mV @ 2A", Category="Discrete Semiconductor Products", ComponentLink1Description=http://www.onsemi.com/pub/Collateral/NSR20F30-D.PDF, ComponentLink1URL=http://www.onsemi.com/pub/Collateral/NSR20F30-D.PDF, Diode Type=Schottky, Mounting Type="Surface Mount", Packaging="Cut Tape (CT)", Part Status=Active, Pricing 1="1=0.57, 10=0.458, 100=0.3118, 500=0.23386, 1000=0.17539 (USD)", RoHS="RoHS Compliant", Speed="Fast Recovery =< 500ns, > 200mA (Io)", Stock 1=19267, Supplier 1=Digi-Key
D5 D6 D7: "DIODE SCHOTTKY 40V 3A SMA", Capacitance @ Vr, F="200pF @ 4V, 1MHz", Current - Average Rectified (Io)=3A, Current - Reverse Leakage @ Vr="500µA @ 40V", Manufacturer="Diodes Incorporated", Manufacturer Part Number=B340A-13-F, Operating Temperature - Junction="-55°C ~ 150°C", Package / Case="DO-214AC, SMA", Supplier Device Package=SMA, Supplier Part Number 1=B340A-FDICT-ND, Voltage - Forward (Vf) (Max) @ If="500mV @ 3A", Category="Discrete Semiconductor Products", ComponentLink1Description=https://www.diodes.com/assets/Datasheets/ds30891.pdf, ComponentLink1URL=https://www.diodes.com/assets/Datasheets/ds30891.pdf, Diode Type=Schottky, Mounting Type="Surface Mount", Packaging="Cut Tape (CT)", Part Status=Active, Pricing 1="1=0.46, 10=0.373, 100=0.2538, 500=0.19034, 1000=0.14276 (USD)", RoHS="RoHS Compliant", Speed="Fast Recovery =< 500ns, > 200mA (Io)", Stock 1=808310, Supplier 1=Digi-Key
D8: library part D_SCHOTT_B1100-13-F, "DIODE SCHOTTKY 100V 1A SMA", Capacitance @ Vr, F="80pF @ 4V, 1MHz", Current - Average Rectified (Io)=1A, Current - Reverse Leakage @ Vr="500µA @ 100V", Manufacturer="Diodes Inc", Package / Case=DO-214AC, Supplier Device Package=SMA, Supplier Part Number 1=B1100-FDICT-ND, Voltage - DC Reverse (Vr) (Max)=100V, Voltage - Forward (Vf) (Max) @ If="790mV @ 1A", Category="Discrete Semiconductor Products", ComponentLink1Description=http://www.diodes.com/datasheets/ds30018.pdf, ComponentLink1URL=http://www.diodes.com/datasheets/ds30018.pdf, Diode Type=Schottky, Manufacturer Part Number=B1100-13-F, Mounting Type="Surface Mount", Packaging="Cut Tape (CT)", Pricing="1=0.57, 10=0.4, 25=0.3288, 100=0.2627, 250=0.1914, 500=0.15544, 1000=0.11948, 2500=0.1073 (USD)", Reverse Recovery Time (trr)=-, RoHS="RoHS Compliant", Speed="Fast Recovery =< 500ns, > 200mA (Io)", Stock 1=109264, Supplier 1=Digi-Key
F1 F2 F3: library part F_FUDICIAL
J1 J2 J7 J8: library part J_PMOD, "CONN FEMALE 12POS DL .1\" R/A TIN", Color=Black, Manufacturer=Samtec, Manufacturer Part Number=SSW-106-02-T-D-RA, Category="Connectors, Interconnects", ComponentLink1Description=http://www.sullinscorp.com/drawings/101_xPxCxx2LJBN-RC,_10494-C.pdf, ComponentLink1URL=http://www.sullinscorp.com/drawings/101_xPxCxx2LJBN-RC,_10494-C.pdf, Connector Type=Header, Contact Finish=Tin, Contact Finish Thickness=-, Contact Type="Female Socket", Fastening Type=-, Features=-, Mounting Type="Through Hole, Right Angle", Number of Positions=12, Number of Positions Loaded=All, Number of Rows=2, Pitch="0.100\" (2.54mm)", Pricing=1=0.723, Row Spacing="0.100\" (2.54mm)", Stock 1=890, Supplier 1=Samtec, Supplier Part Number 1=SSW-106-02-T-D-RA, Termination=Solder